# Allegro board S071AA-0413-20260427.brd (continued)
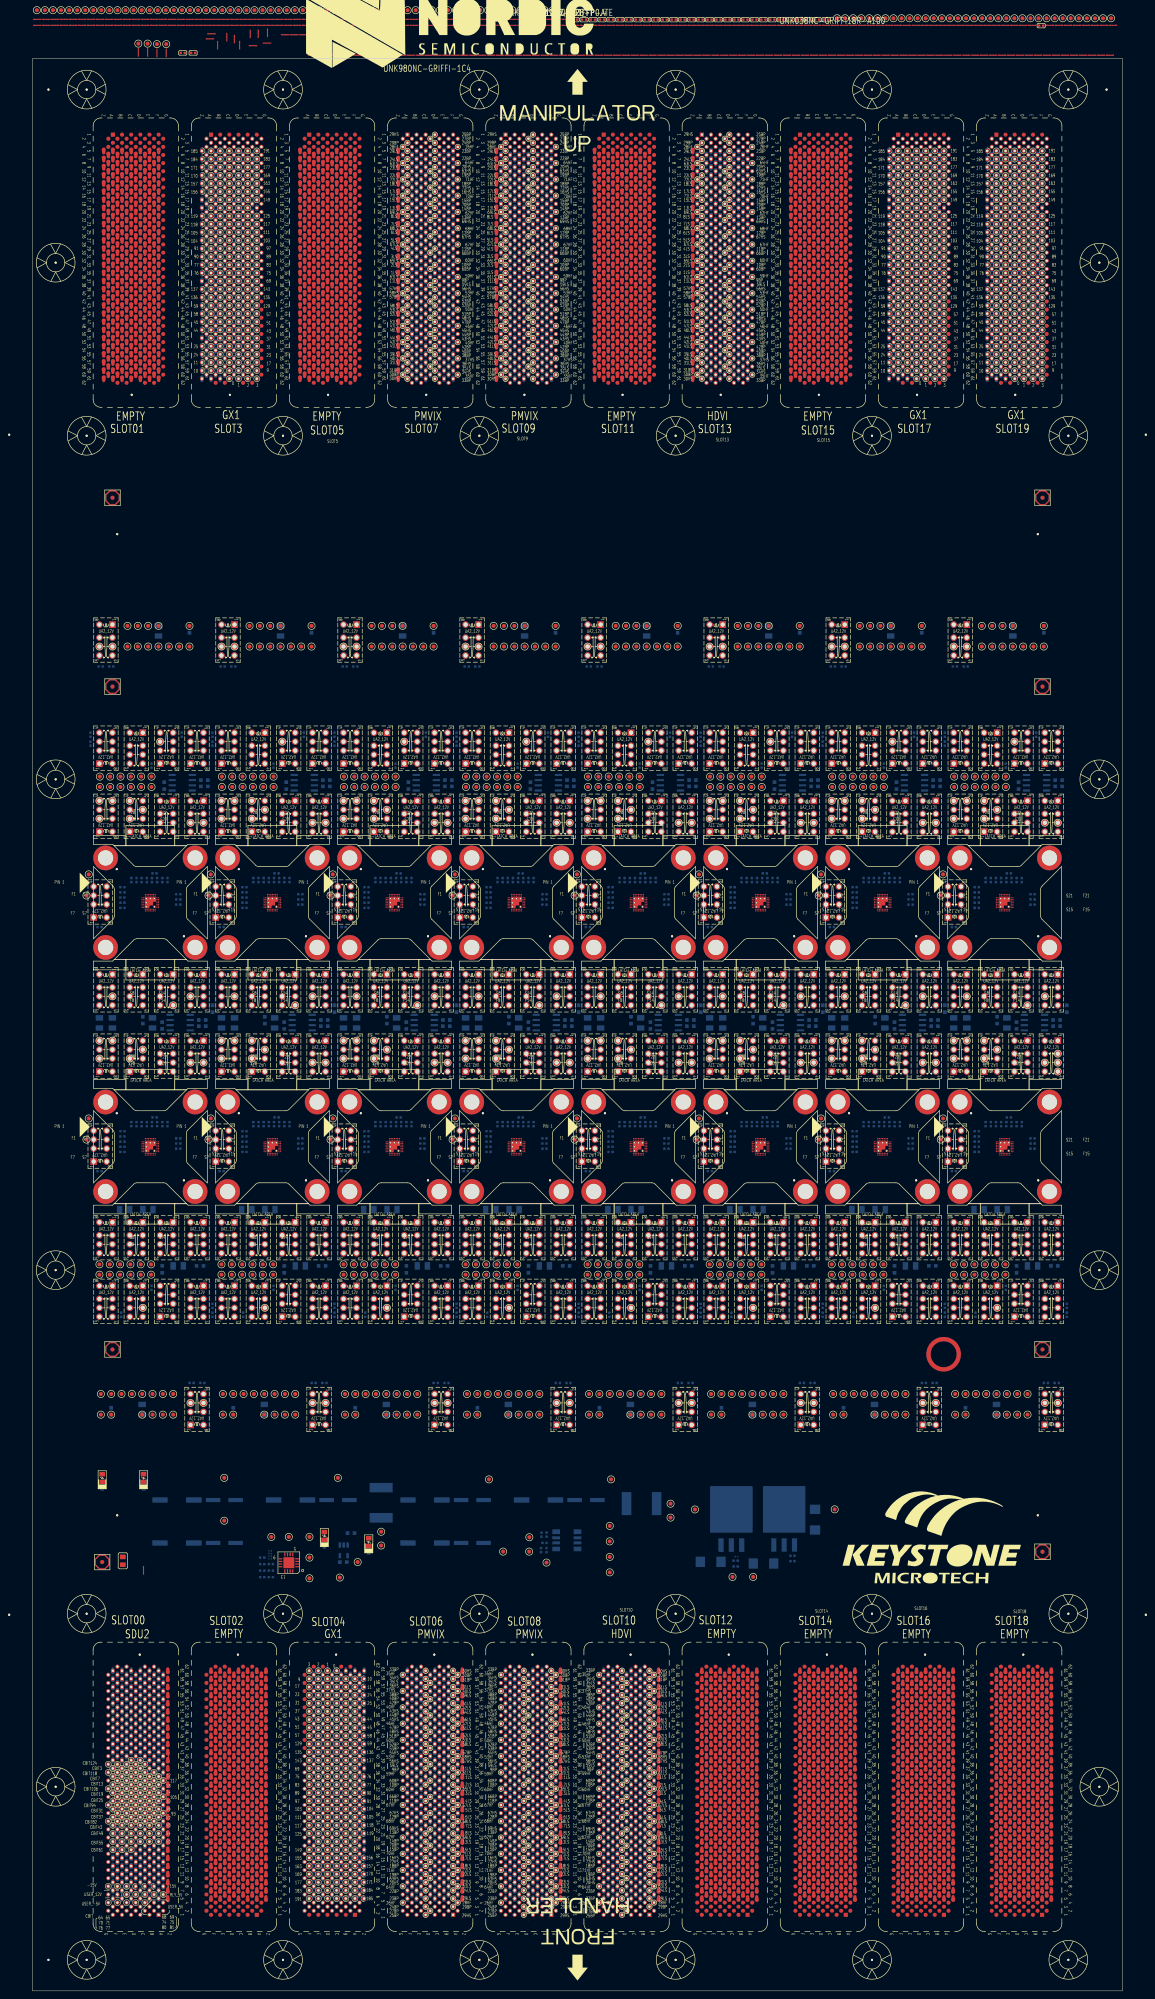
[diagram p0: board, top side]
## Placement (name value [footprint] x y rotation side) (continued)
UNK1TP_SDA  TP01  [TP_040_T]  19.67 330.46 0 top
UNK1TP_SHPHLD_F  TP01  [TP_040_T]  19.11 298.48 270 top
UNK1TP_SHPHLD_S  TP01  [TP_040_T]  19.11 295.94 90 top
UNK1TP_SW_F  TP01  [TP_040_T]  36.07 330.46 0 top
UNK1TP_SW_S  TP01  [TP_040_T]  33.53 330.46 0 top
UNK1TP_VBAT_F  TP01  [TP_040_T]  42.06 287.14 0 top
UNK1TP_VBAT_S  TP01  [TP_040_T]  38.86 287.14 0 top
UNK1TP_VBUS_F  TP01  [TP_040_T]  23.37 330.46 0 top
UNK1TP_VBUS_S  TP01  [TP_040_T]  25.91 330.46 0 top
UNK1TP_VDDIO_F  TP01  [TP_040_T]  38.61 335.54 0 top
UNK1TP_VDDIO_S  TP01  [TP_040_T]  125.91 486.88 0 top
UNK1TP_VEST  TP01  [TP_040_T]  13.28 269.26 0 top
UNK1TP_VOUT_F  TP01  [TP_040_T]  127.89 486.88 0 top
UNK1TP_VOUT_S  TP01  [TP_040_T]  38.61 330.46 0 top
UNK1TP_VSYS_F  TP01  [TP_040_T]  25.91 335.54 0 top
UNK1TP_VSYS_S  TP01  [TP_040_T]  23.37 335.54 0 top
UNK1U1  ADR4550BRZ-SOIC8  [SO8_195X127MM]  36.83 296.98 180 bottom
UNK2C1  1U-6.3-X7R-S6-MU  [C0603]  19.36 142.49 90 bottom
UNK2C2  2.2U-25-X8R-SA-TDK  [C1206]  35.84 178.21 180 bottom
UNK2C3  10U-6.3-X7R-S6-SS  [C0603]  31.92 177.36 270 bottom
UNK2C4  2.2U-25-X8R-SA-TDK  [C1206]  28.38 192.05 180 bottom
UNK2C5  2.2U-25-X8R-SA-TDK  [C1206]  22.68 192.05 0 bottom
UNK2C6  4.7U-6.3-X-S6  [C0603]  41.21 178.21 180 bottom
UNK2C7  0.1U-25-X7R-S6-YA  [C0603]  41.75 238.65 0 bottom
UNK2C8  1U-50-X7R-S6-TY  [C0603]  41.75 237.13 0 bottom
UNK2C9  0.1U-25-X7R-S6-YA  [C0603]  31.9 237.3 270 bottom
UNK2C12  2.2U-25-X8R-SA-TDK  [C1206]  26.98 142.89 90 bottom
UNK2CS1  CNC-S4  [C0402]  22.12 211.3 180 bottom
UNK2CS4  CNC-S4  [C0402]  22.12 207.49 0 bottom
UNK2CS5  CNC-S4  [C0402]  22.12 206.22 0 bottom
UNK2CS19  CNC-S4  [C0402]  35.85 207.02 0 bottom
UNK2CS20  CNC-S4  [C0402]  35.85 208.29 0 bottom
UNK2CS21  CNC-S4  [C0402]  35.85 209.56 0 bottom
UNK2CS22  CNC-S4  [C0402]  33.2 213.05 90 bottom
UNK2CS23  CNC-S4  [C0402]  31.93 213.05 90 bottom
UNK2CS25  CNC-S4  [C0402]  28.12 213.05 90 bottom
UNK2CS26  CNC-S4  [C0402]  26.85 213.05 270 bottom
UNK2CS27  CNC-S4  [C0402]  25.58 213.05 270 bottom
UNK2CS28  CNC-S4  [C0402]  24.31 213.05 90 bottom
UNK2K1  UA2-12NJ-V2  [RL_NECUA2_12V_V2]  33 185.33 90 bottom
UNK2K2  UA2-12NJ-V2  [RL_NECUA2_12V_V2]  25.53 185.33 90 bottom
UNK2K3  UA2-12NJ-V2  [RL_NECUA2_12V_V2]  16.66 207.46 270 bottom
UNK2K4  UA2-12NJ-V2  [RL_NECUA2_12V_V2]  25.53 169.7 90 bottom
UNK2K5  UA2-12NJ-V2  [RL_NECUA2_12V_V2]  18.07 169.7 90 bottom
UNK2K6  UA2-12NJ-V2  [RL_NECUA2_12V_V2]  33 169.3 270 bottom
UNK2K7  UA2-12NJ-V2  [RL_NECUA2_12V_V2]  40.46 169.7 90 bottom
UNK2K8  UA2-12NJ-V2  [RL_NECUA2_12V_V2]  18.07 185.33 90 bottom
UNK2K9  UA2-12NJ-V2  [RL_NECUA2_12V_V2]  40.46 142.72 270 bottom
UNK2K10  UA2-12NJ-V2  [RL_NECUA2_12V_V2]  40.46 185.33 90 bottom
UNK2K11  UA2-12NJ-V2  [RL_NECUA2_12V_V2]  33 229.98 90 bottom
UNK2K12  UA2-12NJ-V2  [RL_NECUA2_12V_V2]  40.46 229.98 90 bottom
UNK2K13  UA2-12NJ-V2  [RL_NECUA2_12V_V2]  18.07 229.58 270 bottom
UNK2K14  UA2-12NJ-V2  [RL_NECUA2_12V_V2]  25.53 229.58 270 bottom
UNK2R1  4.7K-1-S4-WA  [R0402]  16.51 201.49 180 bottom
UNK2R2  3.01K-0.1-S4-PAN  [R0402]  21.8 166.2 90 bottom
UNK2R3  10K-0.1-S4  [R0402]  29.26 172.8 270 bottom
UNK2R7  1K-1-S4  [R0402]  41.78 149.43 0 bottom
UNK2R8  1K-1-S4  [R0402]  39.14 149.43 180 bottom
UNK2R13  0-5-S4  [R0402]  164.24 484.56 0 top
UNK2R14  0-5-S4  [R0402]  166.44 484.56 0 top
UNK2R41  24K-0.1-S4  [R0402]  44.26 166.2 90 bottom
UNK2R42  44.2K-0.1-S4-PAN  [R0402]  44.26 168.4 90 bottom
UNK2RS1  0-5-S4  [R0402]  22.12 208.76 0 bottom
UNK2RS2  NC/0-5-S4  [R0402]  29.39 213.05 270 bottom
UNK2RS3  NC/0-5-S4  [R0402]  22.12 210.03 0 bottom
UNK2RS4  0-5-S4  [R0402]  30.66 213.05 270 bottom
UNK2RS5  0-5-S4  [R0402]  30.02 214.7 0 bottom
UNK2SH2  SHORT  [DEFAULT_SHORT_SMALL]  87.13 483.17 0 top
UNK2SH7  SHORT  [DEFAULT_SHORT_SMALL]  117.97 483.17 0 top
UNK2SH9  SHORT  [DEFAULT_SHORT_SMALL]  120.18 483.17 0 top
UNK2SH14  SHORT  [DEFAULT_SHORT_SMALL]  82.72 483.17 0 top
UNK2SH16  SHORT  [DEFAULT_SHORT_SMALL]  84.92 483.17 0 top
UNK2SH20  SHORT  [DEFAULT_SHORT_SMALL]  89.33 483.17 0 top
UNK2SH29  SHORT  [DEFAULT_SHORT_SMALL]  91.53 483.17 0 top
UNK2SH30  SHORT  [DEFAULT_SHORT_SMALL]  93.74 483.17 0 top
UNK2SH32  SHORT  [DEFAULT_SHORT_SMALL]  95.94 483.17 0 top
UNK2SH33  SHORT  [DEFAULT_SHORT_SMALL]  98.14 483.17 0 top
UNK2SH34  SHORT  [DEFAULT_SHORT_SMALL]  100.35 483.17 0 top
UNK2SH35  SHORT  [DEFAULT_SHORT_SMALL]  102.55 483.17 0 top
UNK2SH36  SHORT  [DEFAULT_SHORT_SMALL]  104.75 483.17 0 top
UNK2SH37  SHORT  [DEFAULT_SHORT_SMALL]  106.96 483.17 0 top
UNK2SH38  SHORT  [DEFAULT_SHORT_SMALL]  109.16 483.17 0 top
UNK2SH39  SHORT  [DEFAULT_SHORT_SMALL]  111.36 483.17 0 top
UNK2SH40  SHORT  [DEFAULT_SHORT_SMALL]  113.57 483.17 0 top
UNK2SH41  SHORT  [DEFAULT_SHORT_SMALL]  115.77 483.17 0 top
UNK2TP_AVSS2/TST  TP01  [TP_040_T]  13.84 214.45 0 top
UNK2TP_GPIO0  TP01  [TP_040_T]  29.17 178.59 270 top
UNK2TP_GPIO1  TP01  [TP_040_T]  29.17 176.05 90 top
UNK2TP_GPIO2  TP01  [TP_040_T]  16.47 178.59 180 top
UNK2TP_GPIO3  TP01  [TP_040_T]  16.47 176.05 90 top
UNK2TP_GPIO4  TP01  [TP_040_T]  19.01 178.59 90 top
UNK2TP_LED0  TP01  [TP_040_T]  21.55 176.05 90 top
UNK2TP_LED1  TP01  [TP_040_T]  21.55 178.59 270 top
UNK2TP_LED2  TP01  [TP_040_T]  19.01 176.05 90 top
UNK2TP_LSIN1_F  TP01  [TP_040_T]  26.98 146.72 180 top
UNK2TP_LSIN1_G  TP01  [TP_040_T]  22.89 486.88 0 top
UNK2TP_LSIN1_S  TP01  [TP_040_T]  29.52 146.72 180 top
UNK2TP_LSIN2/NCHGEN_F  TP01  [TP_040_T]  26.98 141.64 180 top
UNK2TP_LSIN2/NCHGEN_G  TP01  [TP_040_T]  24.87 486.88 0 top
UNK2TP_LSIN2/NCHGEN_S  TP01  [TP_040_T]  29.52 141.64 180 top
UNK2TP_LSOUT1_F  TP01  [TP_040_T]  26.85 486.88 0 top
UNK2TP_LSOUT1_G  TP01  [TP_040_T]  28.83 486.88 0 top
UNK2TP_LSOUT1_S  TP01  [TP_040_T]  24.09 176.05 90 top
UNK2TP_LSOUT2/SUSPEND1_G  TP01  [TP_040_T]  30.81 486.88 0 top
UNK2TP_LSOUT2/SUSPEND1_S  TP01  [TP_040_T]  24.09 178.59 180 top
UNK2TP_LSOUT2/SUSPEND_F  TP01  [TP_040_T]  32.79 486.88 0 top
UNK2TP_NCHG/ATB0_F  TP01  [TP_040_T]  23.93 233.58 0 top
UNK2TP_NCHG/ATB0_G  TP01  [TP_040_T]  23.93 229.18 0 top
UNK2TP_NCHG/ATB0_S  TP01  [TP_040_T]  27.13 231.38 0 top
UNK2TP_NPG/ATB1_F  TP01  [TP_040_T]  16.47 233.58 0 top
UNK2TP_NPG/ATB1_G  TP01  [TP_040_T]  16.47 229.18 0 top
UNK2TP_NPG/ATB1_S  TP01  [TP_040_T]  19.67 233.58 0 top
UNK2TP_NTC  TP01  [TP_040_T]  27.13 167.9 0 top
UNK2TP_REF_5V  TP01  [TP_040_T]  34.77 486.88 0 top
UNK2TP_SCL  TP01  [TP_040_T]  42.06 144.52 180 top
UNK2TP_SDA  TP01  [TP_040_T]  38.86 144.52 180 top
UNK2TP_SHPHLD_F  TP01  [TP_040_T]  26.63 176.05 90 top
UNK2TP_SHPHLD_S  TP01  [TP_040_T]  26.63 178.59 270 top
UNK2TP_SW_F  TP01  [TP_040_T]  21.9 146.72 180 top
UNK2TP_SW_S  TP01  [TP_040_T]  24.44 146.72 180 top
UNK2TP_VBAT_F  TP01  [TP_040_T]  42.06 228.18 0 top
UNK2TP_VBAT_S  TP01  [TP_040_T]  38.86 228.18 0 top
UNK2TP_VBUS_F  TP01  [TP_040_T]  34.6 146.72 180 top
UNK2TP_VBUS_S  TP01  [TP_040_T]  32.06 146.72 180 top
UNK2TP_VDDIO_F  TP01  [TP_040_T]  19.36 141.64 180 top
UNK2TP_VDDIO_S  TP01  [TP_040_T]  16.82 141.64 180 top
UNK2TP_VEST  TP01  [TP_040_T]  13.28 209.26 0 top
UNK2TP_VOUT_F  TP01  [TP_040_T]  16.82 146.72 180 top
UNK2TP_VOUT_S  TP01  [TP_040_T]  19.36 146.72 180 top
UNK2TP_VSYS_F  TP01  [TP_040_T]  32.06 141.64 180 top
UNK2TP_VSYS_S  TP01  [TP_040_T]  34.6 141.64 180 top
UNK2U1  ADR4550BRZ-SOIC8  [SO8_195X127MM]  36.32 238.02 180 bottom
UNK3C1  1U-6.3-X7R-S6-MU  [C0603]  68.61 334.69 270 bottom
UNK3C2  2.2U-25-X8R-SA-TDK  [C1206]  59.52 237.92 90 bottom
UNK3C3  10U-6.3-X7R-S6-SS  [C0603]  57.13 238.61 270 bottom
UNK3C4  2.2U-25-X8R-SA-TDK  [C1206]  49.67 237.92 90 bottom
UNK3C5  2.2U-25-X8R-SA-TDK  [C1206]  46.47 237.92 270 bottom
UNK3C6  4.7U-6.3-X-S6  [C0603]  74.26 241.42 270 bottom
UNK3C7  0.1U-25-X7R-S6-YA  [C0603]  72.25 297.61 0 bottom
UNK3C8  1U-50-X7R-S6-TY  [C0603]  72.25 296.09 0 bottom
UNK3C9  0.1U-25-X7R-S6-YA  [C0603]  62.41 296.26 270 bottom
UNK3C12  2.2U-25-X8R-SA-TDK  [C1206]  60.99 334.29 270 bottom
UNK3CS1  CNC-S4  [C0402]  52.12 271.3 180 bottom
UNK3CS4  CNC-S4  [C0402]  52.12 267.49 0 bottom
UNK3CS5  CNC-S4  [C0402]  52.12 266.22 0 bottom
UNK3CS19  CNC-S4  [C0402]  65.85 267.02 0 bottom
UNK3CS20  CNC-S4  [C0402]  65.85 268.29 0 bottom
UNK3CS21  CNC-S4  [C0402]  65.85 269.56 0 bottom
UNK3CS22  CNC-S4  [C0402]  63.2 273.05 90 bottom
UNK3CS23  CNC-S4  [C0402]  61.93 273.05 90 bottom
UNK3CS25  CNC-S4  [C0402]  58.12 273.05 90 bottom
UNK3CS26  CNC-S4  [C0402]  56.85 273.05 270 bottom
UNK3CS27  CNC-S4  [C0402]  55.58 273.05 270 bottom
UNK3CS28  CNC-S4  [C0402]  54.31 273.05 90 bottom
UNK3K1  UA2-12NJ-V2  [RL_NECUA2_12V_V2]  63 246.27 90 bottom
UNK3K2  UA2-12NJ-V2  [RL_NECUA2_12V_V2]  55.53 246.27 90 bottom
UNK3K3  UA2-12NJ-V2  [RL_NECUA2_12V_V2]  46.66 267.46 270 bottom
UNK3K4  UA2-12NJ-V2  [RL_NECUA2_12V_V2]  63 305.28 270 bottom
UNK3K5  UA2-12NJ-V2  [RL_NECUA2_12V_V2]  70.46 305.28 270 bottom
UNK3K6  UA2-12NJ-V2  [RL_NECUA2_12V_V2]  55.53 305.68 90 bottom
UNK3K7  UA2-12NJ-V2  [RL_NECUA2_12V_V2]  48.07 305.28 270 bottom
UNK3K8  UA2-12NJ-V2  [RL_NECUA2_12V_V2]  48.07 246.27 90 bottom
UNK3K9  UA2-12NJ-V2  [RL_NECUA2_12V_V2]  48.07 332.26 90 bottom
UNK3K10  UA2-12NJ-V2  [RL_NECUA2_12V_V2]  63 288.94 90 bottom
UNK3K11  UA2-12NJ-V2  [RL_NECUA2_12V_V2]  70.46 246.27 90 bottom
UNK3K12  UA2-12NJ-V2  [RL_NECUA2_12V_V2]  70.46 288.94 90 bottom
UNK3K13  UA2-12NJ-V2  [RL_NECUA2_12V_V2]  48.07 288.54 270 bottom
UNK3K14  UA2-12NJ-V2  [RL_NECUA2_12V_V2]  55.53 288.54 270 bottom
UNK3R1  4.7K-1-S4-WA  [R0402]  46.51 261.49 180 bottom
UNK3R2  3.01K-0.1-S4-PAN  [R0402]  66.73 308.78 270 bottom
UNK3R3  10K-0.1-S4  [R0402]  59.26 301.18 270 bottom
UNK3R7  1K-1-S4  [R0402]  46.75 325.55 180 bottom
UNK3R8  1K-1-S4  [R0402]  49.39 325.55 0 bottom
UNK3R13  0-5-S4  [R0402]  168.65 484.56 0 top
UNK3R14  0-5-S4  [R0402]  170.85 484.56 0 top
UNK3R41  24K-0.1-S4  [R0402]  44.26 308.78 270 bottom
UNK3R42  44.2K-0.1-S4-PAN  [R0402]  44.26 306.58 270 bottom
UNK3RS1  0-5-S4  [R0402]  52.12 268.76 0 bottom
UNK3RS2  NC/0-5-S4  [R0402]  59.39 273.05 270 bottom
UNK3RS3  NC/0-5-S4  [R0402]  52.12 270.03 0 bottom
UNK3RS4  0-5-S4  [R0402]  60.66 273.05 270 bottom
UNK3RS5  0-5-S4  [R0402]  60.02 274.7 0 bottom
UNK3SH2  SHORT  [DEFAULT_SHORT_SMALL]  126.79 483.17 0 top
UNK3SH7  SHORT  [DEFAULT_SHORT_SMALL]  157.63 483.17 0 top
UNK3SH9  SHORT  [DEFAULT_SHORT_SMALL]  159.83 483.17 0 top
UNK3SH14  SHORT  [DEFAULT_SHORT_SMALL]  122.38 483.17 0 top
UNK3SH16  SHORT  [DEFAULT_SHORT_SMALL]  124.58 483.17 0 top
UNK3SH20  SHORT  [DEFAULT_SHORT_SMALL]  128.99 483.17 0 top
UNK3SH29  SHORT  [DEFAULT_SHORT_SMALL]  131.19 483.17 0 top
UNK3SH30  SHORT  [DEFAULT_SHORT_SMALL]  133.39 483.17 0 top
UNK3SH32  SHORT  [DEFAULT_SHORT_SMALL]  135.6 483.17 0 top
UNK3SH33  SHORT  [DEFAULT_SHORT_SMALL]  137.8 483.17 0 top
UNK3SH34  SHORT  [DEFAULT_SHORT_SMALL]  140 483.17 0 top
UNK3SH35  SHORT  [DEFAULT_SHORT_SMALL]  142.21 483.17 0 top
UNK3SH36  SHORT  [DEFAULT_SHORT_SMALL]  144.41 483.17 0 top
UNK3SH37  SHORT  [DEFAULT_SHORT_SMALL]  146.61 483.17 0 top
UNK3SH38  SHORT  [DEFAULT_SHORT_SMALL]  148.82 483.17 0 top
UNK3SH39  SHORT  [DEFAULT_SHORT_SMALL]  151.02 483.17 0 top
UNK3SH40  SHORT  [DEFAULT_SHORT_SMALL]  153.22 483.17 0 top
UNK3SH41  SHORT  [DEFAULT_SHORT_SMALL]  155.43 483.17 0 top
UNK3TP_AVSS2/TST  TP01  [TP_040_T]  43.84 274.45 0 top
UNK3TP_GPIO0  TP01  [TP_040_T]  46.57 295.94 90 top
UNK3TP_GPIO1  TP01  [TP_040_T]  46.57 298.48 270 top
UNK3TP_GPIO2  TP01  [TP_040_T]  59.27 295.94 0 top
UNK3TP_GPIO3  TP01  [TP_040_T]  59.27 298.48 270 top
UNK3TP_GPIO4  TP01  [TP_040_T]  56.73 295.94 270 top
UNK3TP_LED0  TP01  [TP_040_T]  54.19 298.48 270 top
UNK3TP_LED1  TP01  [TP_040_T]  54.19 295.94 90 top
UNK3TP_LED2  TP01  [TP_040_T]  56.73 298.48 270 top
UNK3TP_LSIN1_F  TP01  [TP_040_T]  60.99 330.46 0 top
UNK3TP_LSIN1_G  TP01  [TP_040_T]  36.75 486.88 0 top
UNK3TP_LSIN1_S  TP01  [TP_040_T]  58.45 330.46 0 top
UNK3TP_LSIN2/NCHGEN_F  TP01  [TP_040_T]  60.99 335.54 0 top
UNK3TP_LSIN2/NCHGEN_G  TP01  [TP_040_T]  38.74 486.88 0 top
UNK3TP_LSIN2/NCHGEN_S  TP01  [TP_040_T]  58.45 335.54 0 top
UNK3TP_LSOUT1_F  TP01  [TP_040_T]  49.67 244.47 180 top
UNK3TP_LSOUT1_G  TP01  [TP_040_T]  40.72 486.88 0 top
UNK3TP_LSOUT1_S  TP01  [TP_040_T]  51.65 298.48 270 top
UNK3TP_LSOUT2/SUSPEND1_G  TP01  [TP_040_T]  42.7 486.88 0 top
UNK3TP_LSOUT2/SUSPEND1_S  TP01  [TP_040_T]  51.65 295.94 0 top
UNK3TP_LSOUT2/SUSPEND_F  TP01  [TP_040_T]  68.86 244.47 180 top
UNK3TP_NCHG/ATB0_F  TP01  [TP_040_T]  53.93 292.54 0 top
UNK3TP_NCHG/ATB0_G  TP01  [TP_040_T]  53.93 288.14 0 top
UNK3TP_NCHG/ATB0_S  TP01  [TP_040_T]  57.13 290.34 0 top
UNK3TP_NPG/ATB1_F  TP01  [TP_040_T]  46.47 292.54 0 top
UNK3TP_NPG/ATB1_G  TP01  [TP_040_T]  46.47 288.14 0 top
UNK3TP_NPG/ATB1_S  TP01  [TP_040_T]  49.67 292.54 0 top
UNK3TP_NTC  TP01  [TP_040_T]  61.4 307.08 180 top
UNK3TP_REF_5V  TP01  [TP_040_T]  64.59 242.27 180 top
UNK3TP_SCL  TP01  [TP_040_T]  46.47 330.46 0 top
UNK3TP_SDA  TP01  [TP_040_T]  49.67 330.46 0 top
UNK3TP_SHPHLD_F  TP01  [TP_040_T]  49.11 298.48 270 top
UNK3TP_SHPHLD_S  TP01  [TP_040_T]  49.11 295.94 90 top
UNK3TP_SW_F  TP01  [TP_040_T]  66.07 330.46 0 top
UNK3TP_SW_S  TP01  [TP_040_T]  63.53 330.46 0 top
UNK3TP_VBAT_F  TP01  [TP_040_T]  72.06 287.14 0 top
UNK3TP_VBAT_S  TP01  [TP_040_T]  68.86 287.14 0 top
UNK3TP_VBUS_F  TP01  [TP_040_T]  53.37 330.46 0 top
UNK3TP_VBUS_S  TP01  [TP_040_T]  55.91 330.46 0 top
UNK3TP_VDDIO_F  TP01  [TP_040_T]  68.61 335.54 0 top
UNK3TP_VDDIO_S  TP01  [TP_040_T]  44.68 486.88 0 top
UNK3TP_VEST  TP01  [TP_040_T]  43.28 269.26 0 top
UNK3TP_VOUT_F  TP01  [TP_040_T]  46.66 486.88 0 top
UNK3TP_VOUT_S  TP01  [TP_040_T]  68.61 330.46 0 top
UNK3TP_VSYS_F  TP01  [TP_040_T]  55.91 335.54 0 top
UNK3TP_VSYS_S  TP01  [TP_040_T]  53.37 335.54 0 top
UNK3U1  ADR4550BRZ-SOIC8  [SO8_195X127MM]  66.83 296.98 180 bottom
UNK4C1  1U-6.3-X7R-S6-MU  [C0603]  49.36 142.49 90 bottom
UNK4C2  2.2U-25-X8R-SA-TDK  [C1206]  65.84 178.21 180 bottom
UNK4C3  10U-6.3-X7R-S6-SS  [C0603]  61.92 177.36 270 bottom
UNK4C4  2.2U-25-X8R-SA-TDK  [C1206]  58.38 192.05 180 bottom
UNK4C5  2.2U-25-X8R-SA-TDK  [C1206]  52.68 192.05 0 bottom
UNK4C6  4.7U-6.3-X-S6  [C0603]  71.21 178.21 180 bottom
UNK4C7  0.1U-25-X7R-S6-YA  [C0603]  71.75 238.65 0 bottom
UNK4C8  1U-50-X7R-S6-TY  [C0603]  71.75 237.13 0 bottom
UNK4C9  0.1U-25-X7R-S6-YA  [C0603]  61.9 237.3 270 bottom
UNK4C12  2.2U-25-X8R-SA-TDK  [C1206]  56.98 142.89 90 bottom
UNK4CS1  CNC-S4  [C0402]  52.12 211.3 180 bottom
UNK4CS4  CNC-S4  [C0402]  52.12 207.49 0 bottom
UNK4CS5  CNC-S4  [C0402]  52.12 206.22 0 bottom
UNK4CS19  CNC-S4  [C0402]  65.85 207.02 0 bottom
UNK4CS20  CNC-S4  [C0402]  65.85 208.29 0 bottom
UNK4CS21  CNC-S4  [C0402]  65.85 209.56 0 bottom
UNK4CS22  CNC-S4  [C0402]  63.2 213.05 90 bottom
UNK4CS23  CNC-S4  [C0402]  61.93 213.05 90 bottom
UNK4CS25  CNC-S4  [C0402]  58.12 213.05 90 bottom
UNK4CS26  CNC-S4  [C0402]  56.85 213.05 270 bottom
UNK4CS27  CNC-S4  [C0402]  55.58 213.05 270 bottom
UNK4CS28  CNC-S4  [C0402]  54.31 213.05 90 bottom
UNK4K1  UA2-12NJ-V2  [RL_NECUA2_12V_V2]  63 185.33 90 bottom
UNK4K2  UA2-12NJ-V2  [RL_NECUA2_12V_V2]  55.53 185.33 90 bottom
UNK4K3  UA2-12NJ-V2  [RL_NECUA2_12V_V2]  46.66 207.46 270 bottom
UNK4K4  UA2-12NJ-V2  [RL_NECUA2_12V_V2]  55.53 169.7 90 bottom
UNK4K5  UA2-12NJ-V2  [RL_NECUA2_12V_V2]  48.07 169.7 90 bottom
UNK4K6  UA2-12NJ-V2  [RL_NECUA2_12V_V2]  63 169.3 270 bottom
UNK4K7  UA2-12NJ-V2  [RL_NECUA2_12V_V2]  70.46 169.7 90 bottom
UNK4K8  UA2-12NJ-V2  [RL_NECUA2_12V_V2]  48.07 185.33 90 bottom
UNK4K9  UA2-12NJ-V2  [RL_NECUA2_12V_V2]  70.46 142.72 270 bottom
UNK4K10  UA2-12NJ-V2  [RL_NECUA2_12V_V2]  70.46 185.33 90 bottom
UNK4K11  UA2-12NJ-V2  [RL_NECUA2_12V_V2]  63 229.98 90 bottom
UNK4K12  UA2-12NJ-V2  [RL_NECUA2_12V_V2]  70.46 229.98 90 bottom
UNK4K13  UA2-12NJ-V2  [RL_NECUA2_12V_V2]  48.07 229.58 270 bottom
UNK4K14  UA2-12NJ-V2  [RL_NECUA2_12V_V2]  55.53 229.58 270 bottom
UNK4R1  4.7K-1-S4-WA  [R0402]  46.51 201.49 180 bottom
UNK4R2  3.01K-0.1-S4-PAN  [R0402]  51.8 166.2 90 bottom
UNK4R3  10K-0.1-S4  [R0402]  59.26 172.8 270 bottom
UNK4R7  1K-1-S4  [R0402]  71.78 149.43 0 bottom
UNK4R8  1K-1-S4  [R0402]  69.14 149.43 180 bottom
UNK4R13  0-5-S4  [R0402]  173.05 484.56 0 top
UNK4R14  0-5-S4  [R0402]  175.26 484.56 0 top
UNK4R41  24K-0.1-S4  [R0402]  74.26 166.2 90 bottom
UNK4R42  44.2K-0.1-S4-PAN  [R0402]  74.26 168.4 90 bottom
UNK4RS1  0-5-S4  [R0402]  52.12 208.76 0 bottom
UNK4RS2  NC/0-5-S4  [R0402]  59.39 213.05 270 bottom
UNK4RS3  NC/0-5-S4  [R0402]  52.12 210.03 0 bottom
UNK4RS4  0-5-S4  [R0402]  60.66 213.05 270 bottom
UNK4RS5  0-5-S4  [R0402]  60.02 214.7 0 bottom
UNK4SH2  SHORT  [DEFAULT_SHORT_SMALL]  166.44 483.17 0 top
UNK4SH7  SHORT  [DEFAULT_SHORT_SMALL]  197.29 483.17 0 top
UNK4SH9  SHORT  [DEFAULT_SHORT_SMALL]  199.49 483.17 0 top
UNK4SH14  SHORT  [DEFAULT_SHORT_SMALL]  162.04 483.17 0 top
UNK4SH16  SHORT  [DEFAULT_SHORT_SMALL]  164.24 483.17 0 top
UNK4SH20  SHORT  [DEFAULT_SHORT_SMALL]  168.65 483.17 0 top
UNK4SH29  SHORT  [DEFAULT_SHORT_SMALL]  170.85 483.17 0 top
UNK4SH30  SHORT  [DEFAULT_SHORT_SMALL]  173.05 483.17 0 top
UNK4SH32  SHORT  [DEFAULT_SHORT_SMALL]  175.26 483.17 0 top
UNK4SH33  SHORT  [DEFAULT_SHORT_SMALL]  177.46 483.17 0 top
UNK4SH34  SHORT  [DEFAULT_SHORT_SMALL]  179.66 483.17 0 top
UNK4SH35  SHORT  [DEFAULT_SHORT_SMALL]  181.87 483.17 0 top
UNK4SH36  SHORT  [DEFAULT_SHORT_SMALL]  184.07 483.17 0 top
UNK4SH37  SHORT  [DEFAULT_SHORT_SMALL]  186.27 483.17 0 top
UNK4SH38  SHORT  [DEFAULT_SHORT_SMALL]  188.47 483.17 0 top
UNK4SH39  SHORT  [DEFAULT_SHORT_SMALL]  190.68 483.17 0 top
UNK4SH40  SHORT  [DEFAULT_SHORT_SMALL]  192.88 483.17 0 top
UNK4SH41  SHORT  [DEFAULT_SHORT_SMALL]  195.08 483.17 0 top
UNK4TP_AVSS2/TST  TP01  [TP_040_T]  43.84 214.45 0 top
UNK4TP_GPIO0  TP01  [TP_040_T]  59.17 178.59 270 top
UNK4TP_GPIO1  TP01  [TP_040_T]  59.17 176.05 90 top
UNK4TP_GPIO2  TP01  [TP_040_T]  46.47 178.59 180 top
UNK4TP_GPIO3  TP01  [TP_040_T]  46.47 176.05 90 top
UNK4TP_GPIO4  TP01  [TP_040_T]  49.01 178.59 90 top
UNK4TP_LED0  TP01  [TP_040_T]  51.55 176.05 90 top
UNK4TP_LED1  TP01  [TP_040_T]  51.55 178.59 270 top
UNK4TP_LED2  TP01  [TP_040_T]  49.01 176.05 90 top
UNK4TP_LSIN1_F  TP01  [TP_040_T]  56.98 146.72 180 top
UNK4TP_LSIN1_G  TP01  [TP_040_T]  48.64 486.88 0 top
UNK4TP_LSIN1_S  TP01  [TP_040_T]  59.52 146.72 180 top
UNK4TP_LSIN2/NCHGEN_F  TP01  [TP_040_T]  56.98 141.64 180 top
UNK4TP_LSIN2/NCHGEN_G  TP01  [TP_040_T]  50.62 486.88 0 top
UNK4TP_LSIN2/NCHGEN_S  TP01  [TP_040_T]  59.52 141.64 180 top
UNK4TP_LSOUT1_F  TP01  [TP_040_T]  52.6 486.88 0 top
UNK4TP_LSOUT1_G  TP01  [TP_040_T]  54.58 486.88 0 top
UNK4TP_LSOUT1_S  TP01  [TP_040_T]  54.09 176.05 90 top
UNK4TP_LSOUT2/SUSPEND1_G  TP01  [TP_040_T]  56.57 486.88 0 top
UNK4TP_LSOUT2/SUSPEND1_S  TP01  [TP_040_T]  54.09 178.59 180 top
UNK4TP_LSOUT2/SUSPEND_F  TP01  [TP_040_T]  58.55 486.88 0 top
UNK4TP_NCHG/ATB0_F  TP01  [TP_040_T]  53.93 233.58 0 top
UNK4TP_NCHG/ATB0_G  TP01  [TP_040_T]  53.93 229.18 0 top
UNK4TP_NCHG/ATB0_S  TP01  [TP_040_T]  57.13 231.38 0 top
UNK4TP_NPG/ATB1_F  TP01  [TP_040_T]  46.47 233.58 0 top
UNK4TP_NPG/ATB1_G  TP01  [TP_040_T]  46.47 229.18 0 top
UNK4TP_NPG/ATB1_S  TP01  [TP_040_T]  49.67 233.58 0 top
UNK4TP_NTC  TP01  [TP_040_T]  57.13 167.9 0 top
UNK4TP_REF_5V  TP01  [TP_040_T]  60.53 486.88 0 top
UNK4TP_SCL  TP01  [TP_040_T]  72.06 144.52 180 top
UNK4TP_SDA  TP01  [TP_040_T]  68.86 144.52 180 top
UNK4TP_SHPHLD_F  TP01  [TP_040_T]  56.63 176.05 90 top
UNK4TP_SHPHLD_S  TP01  [TP_040_T]  56.63 178.59 270 top
UNK4TP_SW_F  TP01  [TP_040_T]  51.9 146.72 180 top
UNK4TP_SW_S  TP01  [TP_040_T]  54.44 146.72 180 top
UNK4TP_VBAT_F  TP01  [TP_040_T]  72.06 228.18 0 top
UNK4TP_VBAT_S  TP01  [TP_040_T]  68.86 228.18 0 top
UNK4TP_VBUS_F  TP01  [TP_040_T]  64.6 146.72 180 top
UNK4TP_VBUS_S  TP01  [TP_040_T]  62.06 146.72 180 top
UNK4TP_VDDIO_F  TP01  [TP_040_T]  49.36 141.64 180 top
UNK4TP_VDDIO_S  TP01  [TP_040_T]  46.82 141.64 180 top
UNK4TP_VEST  TP01  [TP_040_T]  43.28 209.26 0 top
UNK4TP_VOUT_F  TP01  [TP_040_T]  46.82 146.72 180 top
UNK4TP_VOUT_S  TP01  [TP_040_T]  49.36 146.72 180 top
UNK4TP_VSYS_F  TP01  [TP_040_T]  62.06 141.64 180 top
UNK4TP_VSYS_S  TP01  [TP_040_T]  64.6 141.64 180 top
UNK4U1  ADR4550BRZ-SOIC8  [SO8_195X127MM]  66.32 238.02 180 bottom
UNK5C1  1U-6.3-X7R-S6-MU  [C0603]  98.61 334.69 270 bottom
UNK5C2  2.2U-25-X8R-SA-TDK  [C1206]  89.52 237.92 90 bottom
UNK5C3  10U-6.3-X7R-S6-SS  [C0603]  87.13 238.61 270 bottom
UNK5C4  2.2U-25-X8R-SA-TDK  [C1206]  79.67 237.92 90 bottom
UNK5C5  2.2U-25-X8R-SA-TDK  [C1206]  76.47 237.92 270 bottom
UNK5C6  4.7U-6.3-X-S6  [C0603]  104.26 241.42 270 bottom
UNK5C7  0.1U-25-X7R-S6-YA  [C0603]  102.25 297.61 0 bottom
UNK5C8  1U-50-X7R-S6-TY  [C0603]  102.25 296.09 0 bottom
UNK5C9  0.1U-25-X7R-S6-YA  [C0603]  92.41 296.26 270 bottom
UNK5C12  2.2U-25-X8R-SA-TDK  [C1206]  90.99 334.29 270 bottom
UNK5CS1  CNC-S4  [C0402]  82.12 271.3 180 bottom
UNK5CS4  CNC-S4  [C0402]  82.12 267.49 0 bottom
UNK5CS5  CNC-S4  [C0402]  82.12 266.22 0 bottom
UNK5CS19  CNC-S4  [C0402]  95.85 267.02 0 bottom
UNK5CS20  CNC-S4  [C0402]  95.85 268.29 0 bottom
UNK5CS21  CNC-S4  [C0402]  95.85 269.56 0 bottom
UNK5CS22  CNC-S4  [C0402]  93.2 273.05 90 bottom
UNK5CS23  CNC-S4  [C0402]  91.93 273.05 90 bottom
UNK5CS25  CNC-S4  [C0402]  88.12 273.05 90 bottom
UNK5CS26  CNC-S4  [C0402]  86.85 273.05 270 bottom
UNK5CS27  CNC-S4  [C0402]  85.58 273.05 270 bottom
UNK5CS28  CNC-S4  [C0402]  84.31 273.05 90 bottom
UNK5K1  UA2-12NJ-V2  [RL_NECUA2_12V_V2]  92.99 246.27 90 bottom
UNK5K2  UA2-12NJ-V2  [RL_NECUA2_12V_V2]  85.53 246.27 90 bottom
UNK5K3  UA2-12NJ-V2  [RL_NECUA2_12V_V2]  76.66 267.46 270 bottom
UNK5K4  UA2-12NJ-V2  [RL_NECUA2_12V_V2]  92.99 305.28 270 bottom
UNK5K5  UA2-12NJ-V2  [RL_NECUA2_12V_V2]  100.46 305.28 270 bottom
UNK5K6  UA2-12NJ-V2  [RL_NECUA2_12V_V2]  85.53 305.68 90 bottom
UNK5K7  UA2-12NJ-V2  [RL_NECUA2_12V_V2]  78.07 305.28 270 bottom
UNK5K8  UA2-12NJ-V2  [RL_NECUA2_12V_V2]  78.07 246.27 90 bottom
UNK5K9  UA2-12NJ-V2  [RL_NECUA2_12V_V2]  78.07 332.26 90 bottom
UNK5K10  UA2-12NJ-V2  [RL_NECUA2_12V_V2]  92.99 288.94 90 bottom
UNK5K11  UA2-12NJ-V2  [RL_NECUA2_12V_V2]  100.46 246.27 90 bottom
UNK5K12  UA2-12NJ-V2  [RL_NECUA2_12V_V2]  100.46 288.94 90 bottom
UNK5K13  UA2-12NJ-V2  [RL_NECUA2_12V_V2]  78.07 288.54 270 bottom
UNK5K14  UA2-12NJ-V2  [RL_NECUA2_12V_V2]  85.53 288.54 270 bottom
UNK5R1  4.7K-1-S4-WA  [R0402]  76.51 261.49 180 bottom
UNK5R2  3.01K-0.1-S4-PAN  [R0402]  96.73 308.78 270 bottom
UNK5R3  10K-0.1-S4  [R0402]  89.26 301.18 270 bottom
UNK5R7  1K-1-S4  [R0402]  76.75 325.55 180 bottom
UNK5R8  1K-1-S4  [R0402]  79.39 325.55 0 bottom
UNK5R13  0-5-S4  [R0402]  177.46 484.56 0 top
UNK5R14  0-5-S4  [R0402]  179.66 484.56 0 top
UNK5R41  24K-0.1-S4  [R0402]  74.26 308.78 270 bottom
UNK5R42  44.2K-0.1-S4-PAN  [R0402]  74.26 306.58 270 bottom
UNK5RS1  0-5-S4  [R0402]  82.12 268.76 0 bottom
UNK5RS2  NC/0-5-S4  [R0402]  89.39 273.05 270 bottom
UNK5RS3  NC/0-5-S4  [R0402]  82.12 270.03 0 bottom
UNK5RS4  0-5-S4  [R0402]  90.66 273.05 270 bottom
UNK5RS5  0-5-S4  [R0402]  90.02 274.7 0 bottom
UNK5SH2  SHORT  [DEFAULT_SHORT_SMALL]  206.1 483.17 0 top
UNK5SH7  SHORT  [DEFAULT_SHORT_SMALL]  236.95 483.17 0 top
UNK5SH9  SHORT  [DEFAULT_SHORT_SMALL]  239.15 483.17 0 top
UNK5SH14  SHORT  [DEFAULT_SHORT_SMALL]  201.69 483.17 0 top
UNK5SH16  SHORT  [DEFAULT_SHORT_SMALL]  203.9 483.17 0 top
UNK5SH20  SHORT  [DEFAULT_SHORT_SMALL]  208.3 483.17 0 top
UNK5SH29  SHORT  [DEFAULT_SHORT_SMALL]  210.51 483.17 0 top
UNK5SH30  SHORT  [DEFAULT_SHORT_SMALL]  212.71 483.17 0 top
UNK5SH32  SHORT  [DEFAULT_SHORT_SMALL]  214.91 483.17 0 top
UNK5SH33  SHORT  [DEFAULT_SHORT_SMALL]  217.12 483.17 0 top
UNK5SH34  SHORT  [DEFAULT_SHORT_SMALL]  219.32 483.17 0 top
UNK5SH35  SHORT  [DEFAULT_SHORT_SMALL]  221.52 483.17 0 top
UNK5SH36  SHORT  [DEFAULT_SHORT_SMALL]  223.73 483.17 0 top
UNK5SH37  SHORT  [DEFAULT_SHORT_SMALL]  225.93 483.17 0 top
UNK5SH38  SHORT  [DEFAULT_SHORT_SMALL]  228.13 483.17 0 top
UNK5SH39  SHORT  [DEFAULT_SHORT_SMALL]  230.34 483.17 0 top
UNK5SH40  SHORT  [DEFAULT_SHORT_SMALL]  232.54 483.17 0 top
UNK5SH41  SHORT  [DEFAULT_SHORT_SMALL]  234.74 483.17 0 top
UNK5TP_AVSS2/TST  TP01  [TP_040_T]  73.84 274.45 0 top
UNK5TP_GPIO0  TP01  [TP_040_T]  76.57 295.94 90 top
UNK5TP_GPIO1  TP01  [TP_040_T]  76.57 298.48 270 top
UNK5TP_GPIO2  TP01  [TP_040_T]  89.27 295.94 0 top
UNK5TP_GPIO3  TP01  [TP_040_T]  89.27 298.48 270 top
UNK5TP_GPIO4  TP01  [TP_040_T]  86.73 295.94 270 top
UNK5TP_LED0  TP01  [TP_040_T]  84.19 298.48 270 top
UNK5TP_LED1  TP01  [TP_040_T]  84.19 295.94 90 top
UNK5TP_LED2  TP01  [TP_040_T]  86.73 298.48 270 top
UNK5TP_LSIN1_F  TP01  [TP_040_T]  90.99 330.46 0 top
UNK5TP_LSIN1_G  TP01  [TP_040_T]  62.51 486.88 0 top
UNK5TP_LSIN1_S  TP01  [TP_040_T]  88.45 330.46 0 top
UNK5TP_LSIN2/NCHGEN_F  TP01  [TP_040_T]  90.99 335.54 0 top
UNK5TP_LSIN2/NCHGEN_G  TP01  [TP_040_T]  64.49 486.88 0 top
UNK5TP_LSIN2/NCHGEN_S  TP01  [TP_040_T]  88.45 335.54 0 top